# Altium PCB 键盘.PcbDoc (part 7 of 10) (continued)
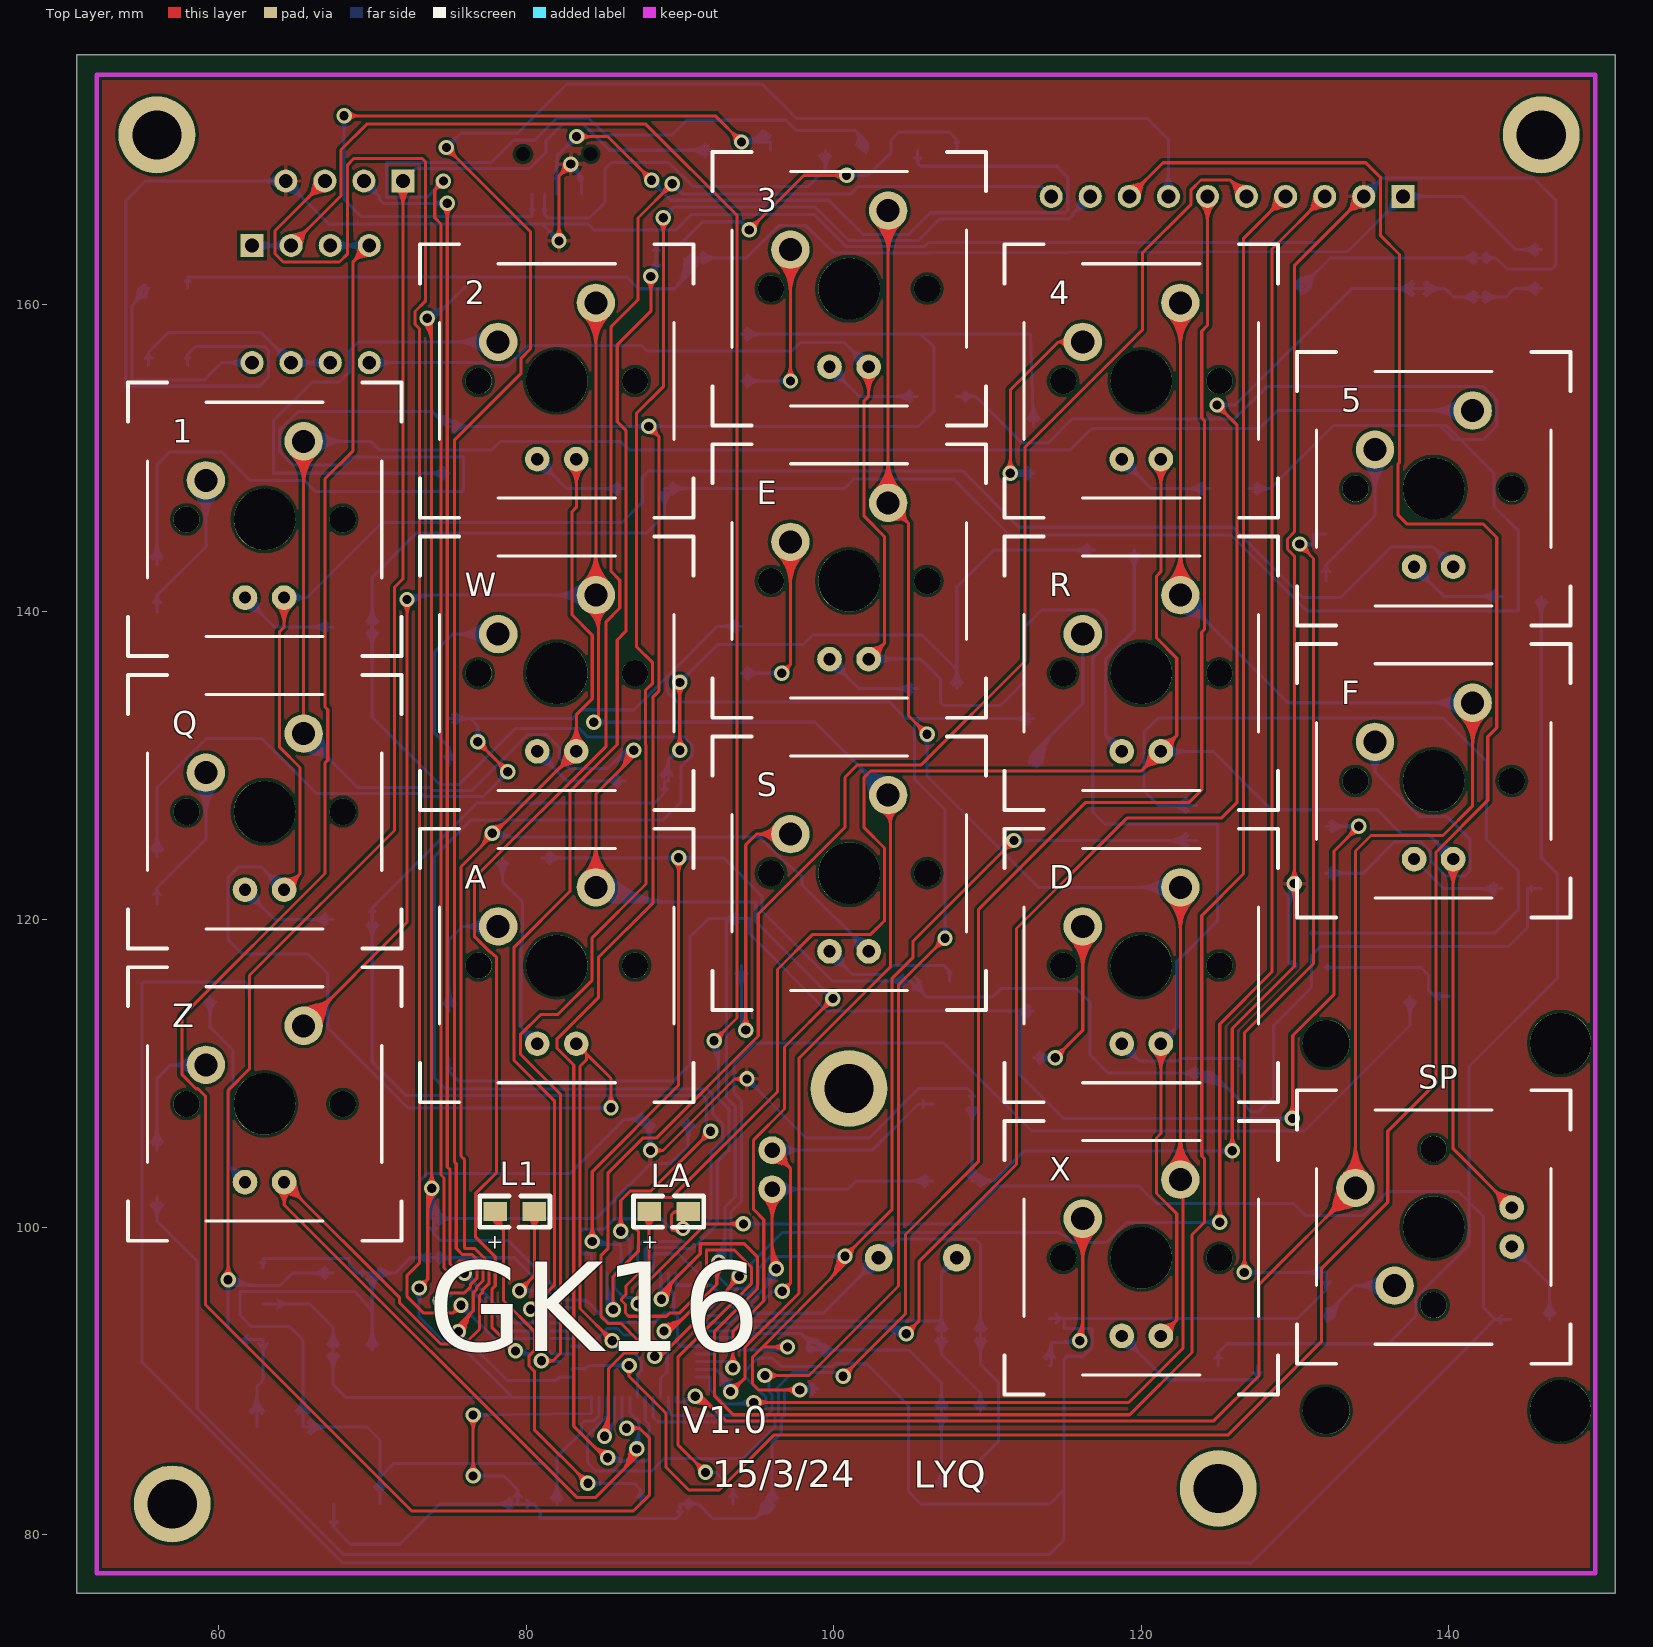
[diagram p0: Top Layer view]
## Nets (pads, with @x,y where several pads share a name; then routed paths per layer and width w, separated by ;. In a path a pad name is that pad's centre, name@x,y a point inside that pad or via, vN(x,y) a via of type N, cw(c..) or ccw(c..) an arc to the next point about the centre after c; other vN are vias at no path point) (continued)
PA7: D1.1 D2.1 D3.1 D4.1 U1.17 | length 287.4
  Top Layer w0.2: v1@85.155,85 83.103,87.052 83.103,110.532 82.001,111.633 82.001,112.207 84.7,114.906 84.7,117.517 88.24,121.056 88.24,134.45 88.63,134.84 88.63,151.4 ; v1(87.982,152.048) 88.63,151.4 ; 84.369,85.786 ccw(c85.3,86.717) v1@85.3,85.4 ; 84.369,85.786 ccw(c85.3,86.717) v1@85.3,85.4 ; 84.369,85.786 ccw(c85.3,86.717) v1@85.3,85.4 ; 84.71,85.444 ccw(c85.3,86.034) v1@85.3,85.2 ; 84.71,85.444 ccw(c85.3,86.034) v1@85.3,85.2 ; 84.71,85.444 ccw(c85.3,86.034) v1@85.3,85.2 ; 84.71,85.558 cw(c84.489,84.733) v1(85.3,85) ; 84.71,85.558 cw(c84.489,84.733) v1(85.3,85) ; 84.71,85.558 cw(c84.489,84.733) v1(85.3,85) ; 84.72,85.435 cw(c84.285,85) v1@84.9,85 ; 84.72,85.435 cw(c84.285,85) v1@84.9,85 ; 84.72,85.435 cw(c84.285,85) v1@84.9,85 ; 84.826,85.327 cw(c84.73,84.969) v1@85.1,84.989 ; 84.826,85.327 cw(c84.73,84.969) v1@85.1,84.989 ; 84.826,85.327 cw(c84.73,84.969) v1@85.1,84.989 ; 84.868,85.316 ccw(c84.947,85.612) v1@85.1,85.346 ; 84.868,85.316 ccw(c84.947,85.612) v1@85.1,85.346 ; 84.868,85.316 ccw(c84.947,85.612) v1@85.1,85.346 ; 85.067,85.462 cw(c84.909,84.871) v1@85.49,85.062 ; 85.067,85.462 cw(c84.909,84.871) v1@85.49,85.062 ; 85.067,85.462 cw(c84.909,84.871) v1@85.49,85.062 ; v1@87.79,151.991 ccw(c88.333,152.153) 88.207,151.6 ; v1@87.79,151.991 ccw(c88.333,152.153) 88.207,151.6 ; v1@87.79,151.991 ccw(c88.333,152.153) 88.207,151.6 ; v1@87.997,151.648 cw(c88.029,150.799) 88.63,151.4 ; v1@87.997,151.648 cw(c88.029,150.799) 88.63,151.4 ; v1@87.997,151.648 cw(c88.029,150.799) 88.63,151.4 ; v1@88.039,152.24 cw(c87.877,151.697) 88.43,151.823 ; v1@88.039,152.24 cw(c87.877,151.697) 88.43,151.823 ; v1@88.039,152.24 cw(c87.877,151.697) 88.43,151.823 ; v1@88.382,152.033 ccw(c89.231,152.001) 88.63,151.4 ; v1@88.382,152.033 ccw(c89.231,152.001) 88.63,151.4 ; v1@88.382,152.033 ccw(c89.231,152.001) 88.63,151.4
  Bottom Layer w0.2: D1.1@56,143.048 56,149.555 56.838,150.393 60.198,150.393 62.052,148.539 65.583,148.539 66.319,147.803 75.946,147.803 75.946,150.063 68.656,150.063 68.123,149.53 64.872,149.53 63.99,150.411 63.99,151.823 65.176,153.01 73.892,153.01 ; v1@85.155,85 85.382,84.773 87.782,84.773 87.998,84.988 87.998,87.192 87.75,87.44 U1.17@87.75,88.95 ; D3.1@94,158.048 105.664,158.048 ; D4.1@113,152.048 112.788,158.048 105.664,158.048 ; D1.1@55.622,143.553 ccw(c54.708,144.467) 56,144.467 ; D1.1@55.622,143.553 ccw(c54.708,144.467) 56,144.467 ; D1.1@55.622,143.553 ccw(c54.708,144.467) 56,144.467 ; D1.1@55.763,143.412 ccw(c55.191,143.984) 56,143.984 ; D1.1@55.763,143.412 ccw(c55.191,143.984) 56,143.984 ; D1.1@55.763,143.412 ccw(c55.191,143.984) 56,143.984 ; 56,143.984 ccw(c56.809,143.984) D1.1@56.237,143.412 ; 56,143.984 ccw(c56.809,143.984) D1.1@56.237,143.412 ; 56,143.984 ccw(c56.809,143.984) D1.1@56.237,143.412 ; 56,144.467 ccw(c57.292,144.467) D1.1@56.378,143.553 ; 56,144.467 ccw(c57.292,144.467) D1.1@56.378,143.553 ; 56,144.467 ccw(c57.292,144.467) D1.1@56.378,143.553 ; 73.892,153.01 ccw(c74.687,153.805) D2.1@74.899,152.7 ; 73.892,153.01 ccw(c74.687,153.805) D2.1@74.899,152.7 ; 73.892,153.01 ccw(c74.687,153.805) D2.1@74.899,152.7 ; 73.892,153.01 74.854,152.048 D2.1@75,152.048 v1(87.982,152.048) 105.515,152.048 106.528,153.06 106.528,157.184 105.664,158.048 ; 74.159,152.743 ccw(c74.773,153.357) D2.1@74.937,152.504 ; 74.159,152.743 ccw(c74.773,153.357) D2.1@74.937,152.504 ; 74.159,152.743 ccw(c74.773,153.357) D2.1@74.937,152.504 ; 74.28,152.622 cw(c73.833,152.175) D2.1@74.465,152.175 ; 74.28,152.622 cw(c73.833,152.175) D2.1@74.465,152.175 ; 74.28,152.622 cw(c73.833,152.175) D2.1@74.465,152.175 ; D2.1@74.426,152.476 ccw(c74.859,152.909) D2.1@74.975,152.308 ; D2.1@74.426,152.476 ccw(c74.859,152.909) D2.1@74.975,152.308 ; D2.1@74.426,152.476 ccw(c74.859,152.909) D2.1@74.975,152.308 ; D2.1@74.431,152.734 cw(c74.35,151.613) D2.1@75.2,152.348 ; D2.1@74.431,152.734 cw(c74.35,151.613) D2.1@75.2,152.348 ; D2.1@74.431,152.734 cw(c74.35,151.613) D2.1@75.2,152.348 ; D2.1@75.237,151.811 cw(c75.809,151.239) 75.809,152.048 ; D2.1@75.237,151.811 cw(c75.809,151.239) 75.809,152.048 ; D2.1@75.237,151.811 cw(c75.809,151.239) 75.809,152.048 ; D2.1@75.237,152.285 ccw(c75.809,152.857) 75.809,152.048 ; D2.1@75.237,152.285 ccw(c75.809,152.857) 75.809,152.048 ; D2.1@75.237,152.285 ccw(c75.809,152.857) 75.809,152.048 ; D2.1@75.378,151.67 cw(c76.292,150.756) 76.292,152.048 ; D2.1@75.378,151.67 cw(c76.292,150.756) 76.292,152.048 ; D2.1@75.378,151.67 cw(c76.292,150.756) 76.292,152.048 ; D2.1@75.378,152.426 ccw(c76.292,153.34) 76.292,152.048 ; D2.1@75.378,152.426 ccw(c76.292,153.34) 76.292,152.048 ; D2.1@75.378,152.426 ccw(c76.292,153.34) 76.292,152.048 ; v1(85.3,85) ccw(c85.849,85.549) 85.849,84.773 ; v1(85.3,85) ccw(c85.849,85.549) 85.849,84.773 ; v1(85.3,85) ccw(c85.849,85.549) 85.849,84.773 ; v1@85.441,85.141 ccw(c86.332,86.032) 86.332,84.773 ; v1@85.441,85.141 ccw(c86.332,86.032) 86.332,84.773 ; v1@85.441,85.141 ccw(c86.332,86.032) 86.332,84.773 ; v1@85.583,85.283 ccw(c86.815,86.515) 86.815,84.773 ; v1@85.583,85.283 ccw(c86.815,86.515) 86.815,84.773 ; v1@85.583,85.283 ccw(c86.815,86.515) 86.815,84.773 ; v1@85.686,85.104 ccw(c85.982,85.183) 85.829,84.918 ; v1@85.686,85.104 ccw(c85.982,85.183) 85.829,84.918 ; v1@85.686,85.104 ccw(c85.982,85.183) 85.829,84.918 ; 87.016,152.048 cw(c87.016,151.082) v1@87.699,151.765 ; 87.016,152.048 ccw(c87.016,153.014) v1@87.699,152.331 ; 87.016,152.048 cw(c87.016,151.082) v1@87.699,151.765 ; 87.016,152.048 ccw(c87.016,153.014) v1@87.699,152.331 ; 87.016,152.048 cw(c87.016,151.082) v1@87.699,151.765 ; 87.016,152.048 ccw(c87.016,153.014) v1@87.699,152.331 ; v1@88.265,151.765 cw(c88.948,151.082) 88.948,152.048 ; v1@88.265,151.765 cw(c88.948,151.082) 88.948,152.048 ; v1@88.265,151.765 cw(c88.948,151.082) 88.948,152.048 ; v1@88.265,152.331 ccw(c88.948,153.014) 88.948,152.048 ; v1@88.265,152.331 ccw(c88.948,153.014) 88.948,152.048 ; v1@88.265,152.331 ccw(c88.948,153.014) 88.948,152.048 ; D3.1@94.237,157.811 cw(c94.809,157.239) 94.809,158.048 ; D3.1@94.237,157.811 cw(c94.809,157.239) 94.809,158.048 ; D3.1@94.237,157.811 cw(c94.809,157.239) 94.809,158.048 ; D3.1@94.237,158.285 ccw(c94.809,158.857) 94.809,158.048 ; D3.1@94.237,158.285 ccw(c94.809,158.857) 94.809,158.048 ; D3.1@94.237,158.285 ccw(c94.809,158.857) 94.809,158.048 ; D3.1@94.378,157.67 cw(c95.292,156.756) 95.292,158.048 ; D3.1@94.378,157.67 cw(c95.292,156.756) 95.292,158.048 ; D3.1@94.378,157.67 cw(c95.292,156.756) 95.292,158.048 ; D3.1@94.378,158.426 ccw(c95.292,159.34) 95.292,158.048 ; D3.1@94.378,158.426 ccw(c95.292,159.34) 95.292,158.048 ; D3.1@94.378,158.426 ccw(c95.292,159.34) 95.292,158.048 ; D4.1@112.609,152.54 ccw(c111.675,153.41) 112.95,153.455 ; D4.1@112.609,152.54 ccw(c111.675,153.41) 112.95,153.455 ; D4.1@112.609,152.54 ccw(c111.675,153.41) 112.95,153.455 ; D4.1@112.755,152.403 ccw(c112.174,152.944) 112.967,152.972 ; D4.1@112.755,152.403 ccw(c112.174,152.944) 112.967,152.972 ; D4.1@112.755,152.403 ccw(c112.174,152.944) 112.967,152.972 ; 112.949,153.476 ccw(c114.256,153.523) D4.1@113.365,152.566 ; 112.949,153.476 ccw(c114.256,153.523) D4.1@113.365,152.566 ; 112.949,153.476 ccw(c114.256,153.523) D4.1@113.365,152.566 ; 112.966,152.994 ccw(c113.79,153.023) D4.1@113.228,152.42 ; 112.966,152.994 ccw(c113.79,153.023) D4.1@113.228,152.42 ; 112.966,152.994 ccw(c113.79,153.023) D4.1@113.228,152.42
PA8: R23.2 U1.29 | length 133.2
  Top Layer w0.2: v1@88.498,91.97 ccw(c88.58,92.207) 88.767,92.04 ccw(c88.954,91.873) v1@88.728,91.765 ; v1@88.188,91.683 cw(c88.866,91.34) 88.669,92.074 ; v1@88.188,91.683 cw(c88.866,91.34) 88.669,92.074 ; v1@88.188,91.683 cw(c88.866,91.34) 88.669,92.074 ; v1(88.367,91.592) ccw(c88.367,92.533) 89.032,91.868 ; v1(88.367,91.592) cw(c89.402,91.069) 89.102,92.189 ; v1(88.367,91.592) cw(c89.402,91.069) 89.102,92.189 ; v1(88.367,91.592) ccw(c88.367,92.533) 89.032,91.868 ; v1(88.367,91.592) cw(c89.402,91.069) 89.102,92.189 ; v1(88.367,91.592) ccw(c88.367,92.533) 89.032,91.868 ; v1(88.367,91.592) 88.756,91.592 93.853,96.689 v1(93.853,96.799) ; v1@88.367,91.792 ccw(c88.367,93.216) 89.373,92.209 ; v1@88.367,91.792 ccw(c88.367,93.216) 89.373,92.209 ; v1@88.367,91.792 ccw(c88.367,93.216) 89.373,92.209 ; v1@88.367,91.992 ccw(c88.367,93.899) 89.714,92.551 ; v1@88.367,91.992 ccw(c88.367,93.899) 89.714,92.551 ; v1@88.367,91.992 ccw(c88.367,93.899) 89.714,92.551 ; v1@88.555,91.526 cw(c89.217,91.294) 89.036,91.972 ; v1@88.555,91.526 cw(c89.217,91.294) 89.036,91.972 ; v1@88.555,91.526 cw(c89.217,91.294) 89.036,91.972 ; v1@88.567,91.939 ccw(c88.72,92.204) 88.799,91.908 ; v1@88.567,91.939 ccw(c88.72,92.204) 88.799,91.908 ; v1@88.567,91.939 ccw(c88.72,92.204) 88.799,91.908 ; 93.092,95.929 ccw(c92.221,96.799) v1@93.453,96.799 ; 93.092,95.929 ccw(c92.221,96.799) v1@93.453,96.799 ; 93.092,95.929 ccw(c92.221,96.799) v1@93.453,96.799 ; 93.3,96.23 cw(c94.087,96.019) v1(93.853,96.799) ; 93.3,96.23 cw(c94.087,96.019) v1(93.853,96.799) ; 93.3,96.23 cw(c94.087,96.019) v1(93.853,96.799) ; 93.358,96.194 cw(c93.853,95.7) v1@93.853,96.399 ; 93.358,96.194 cw(c93.853,95.7) v1@93.853,96.399 ; 93.358,96.194 cw(c93.853,95.7) v1@93.853,96.399 ; 93.393,96.577 cw(c93.966,96.423) v1@93.795,96.991 ; 93.393,96.577 cw(c93.966,96.423) v1@93.795,96.991 ; 93.393,96.577 cw(c93.966,96.423) v1@93.795,96.991 ; 93.414,96.282 ccw(c93.26,96.857) v1(93.853,96.799) ; 93.414,96.282 ccw(c93.26,96.857) v1(93.853,96.799) ; 93.414,96.282 ccw(c93.26,96.857) v1(93.853,96.799) ; 93.434,96.27 ccw(c92.904,96.799) v1@93.653,96.799 ; 93.434,96.27 ccw(c92.904,96.799) v1@93.653,96.799 ; 93.434,96.27 ccw(c92.904,96.799) v1@93.653,96.799
  Bottom Layer w0.2: U1.29@82.95,92.25 84.125,92.25 85.275,93.4 85.938,93.4 86.362,92.976 86.983,92.976 v1(88.367,91.592) ; v1(93.853,96.799) 93.332,97.32 ; R23.2@137.46,115 137.46,113.097 130.611,106.247 112.878,106.247 107.163,111.963 94.869,111.963 93.507,110.601 93.507,108.721 94.002,108.225 94.002,101.673 93.332,101.003 93.332,97.32 ; 87.684,92.275 cw(c87.001,91.592) v1@87.967,91.592 ; 87.684,92.275 ccw(c88.367,92.958) v1@88.367,91.992 ; 87.684,92.275 cw(c87.001,91.592) v1@87.967,91.592 ; 87.684,92.275 ccw(c88.367,92.958) v1@88.367,91.992 ; 87.684,92.275 cw(c87.001,91.592) v1@87.967,91.592 ; 87.684,92.275 ccw(c88.367,92.958) v1@88.367,91.992 ; 87.832,92.096 ccw(c88.507,92.277) v1(88.367,91.592) ; 87.832,92.096 ccw(c88.507,92.277) v1(88.367,91.592) ; 87.832,92.096 ccw(c88.507,92.277) v1(88.367,91.592) ; 87.863,92.127 cw(c87.682,91.452) v1(88.367,91.592) ; 87.863,92.127 cw(c87.682,91.452) v1(88.367,91.592) ; 87.863,92.127 cw(c87.682,91.452) v1(88.367,91.592) ; 93.332,97.32 cw(c92.995,96.982) v1@93.462,96.883 ; 93.332,97.32 ccw(c93.67,97.658) v1@93.77,97.191 ; 93.332,97.32 cw(c92.995,96.982) v1@93.462,96.883 ; 93.332,97.32 ccw(c93.67,97.658) v1@93.77,97.191 ; 93.332,97.32 cw(c92.995,96.982) v1@93.462,96.883 ; 93.332,97.32 ccw(c93.67,97.658) v1@93.77,97.191 ; R23.2@137.089,114.629 cw(c136.193,113.733) 137.46,113.733 ; R23.2@137.089,114.629 cw(c136.193,113.733) 137.46,113.733 ; R23.2@137.089,114.629 cw(c136.193,113.733) 137.46,113.733 ; R23.2@137.23,114.77 cw(c136.675,114.215) 137.46,114.215 ; R23.2@137.23,114.77 cw(c136.675,114.215) 137.46,114.215 ; R23.2@137.23,114.77 cw(c136.675,114.215) 137.46,114.215 ; 137.46,113.733 cw(c138.727,113.733) R23.2@137.831,114.629 ; 137.46,113.733 cw(c138.727,113.733) R23.2@137.831,114.629 ; 137.46,113.733 cw(c138.727,113.733) R23.2@137.831,114.629 ; 137.46,114.215 cw(c138.245,114.215) R23.2@137.69,114.77 ; 137.46,114.215 cw(c138.245,114.215) R23.2@137.69,114.77 ; 137.46,114.215 cw(c138.245,114.215) R23.2@137.69,114.77
PA13: L1.2 U1.34 | length 32.8
  Top Layer w0.2: L1.2@80.54,101 80.54,96.828 v1(79.575,95.863) ; v1(79.575,95.863) cw(c80.26,95.723) 80.079,96.398 ; v1(79.575,95.863) ccw(c79.435,96.548) 80.11,96.367 ; v1(79.575,95.863) cw(c80.26,95.723) 80.079,96.398 ; v1(79.575,95.863) ccw(c79.435,96.548) 80.11,96.367 ; v1(79.575,95.863) cw(c80.26,95.723) 80.079,96.398 ; v1(79.575,95.863) ccw(c79.435,96.548) 80.11,96.367 ; v1@79.575,96.263 ccw(c79.575,97.228) 80.258,96.546 ; v1@79.575,96.263 ccw(c79.575,97.228) 80.258,96.546 ; v1@79.575,96.263 ccw(c79.575,97.228) 80.258,96.546 ; v1@79.975,95.863 cw(c80.94,95.863) 80.258,96.546 ; v1@79.975,95.863 cw(c80.94,95.863) 80.258,96.546 ; v1@79.975,95.863 cw(c80.94,95.863) 80.258,96.546 ; L1.2@80.169,100.629 cw(c79.273,99.733) 80.54,99.733 ; L1.2@80.169,100.629 cw(c79.273,99.733) 80.54,99.733 ; L1.2@80.169,100.629 cw(c79.273,99.733) 80.54,99.733 ; L1.2@80.31,100.77 cw(c79.755,100.215) 80.54,100.215 ; L1.2@80.31,100.77 cw(c79.755,100.215) 80.54,100.215 ; L1.2@80.31,100.77 cw(c79.755,100.215) 80.54,100.215 ; 80.54,99.733 cw(c81.807,99.733) L1.2@80.911,100.629 ; 80.54,99.733 cw(c81.807,99.733) L1.2@80.911,100.629 ; 80.54,99.733 cw(c81.807,99.733) L1.2@80.911,100.629 ; 80.54,100.215 cw(c81.325,100.215) L1.2@80.77,100.77 ; 80.54,100.215 cw(c81.325,100.215) L1.2@80.77,100.77 ; 80.54,100.215 cw(c81.325,100.215) L1.2@80.77,100.77
  Bottom Layer w0.2: v1(79.575,95.863) 80.759,95.863 81.872,94.75 U1.34@82.95,94.75 ; v1@79.858,95.58 cw(c80.54,94.897) 80.54,95.863 ; v1@79.858,95.58 cw(c80.54,94.897) 80.54,95.863 ; v1@79.858,95.58 cw(c80.54,94.897) 80.54,95.863 ; v1@79.858,96.146 ccw(c80.54,96.828) 80.54,95.863 ; v1@79.858,96.146 ccw(c80.54,96.828) 80.54,95.863 ; v1@79.858,96.146 ccw(c80.54,96.828) 80.54,95.863
PA14: LA.2 U1.37 | length 20.4
  Top Layer w0.2: v1(90.2,99.9) 90.1,99.8 89.519,99.8 ; LA.2@90.54,101 89.672,101 ; 89.519,99.8 cw(c89.519,99.278) v1@89.905,99.63 ; 89.519,99.8 ccw(c89.519,100.114) v1@89.818,100.02 ; 89.519,99.8 cw(c89.519,99.278) v1@89.905,99.63 ; 89.519,99.8 ccw(c89.519,100.114) v1@89.818,100.02 ; 89.519,99.8 cw(c89.519,99.278) v1@89.905,99.63 ; 89.519,99.8 ccw(c89.519,100.114) v1@89.818,100.02 ; 89.519,99.8 89.459,99.86 89.459,100.787 89.672,101 ; 89.672,101 cw(c89.672,100.753) LA.2@89.906,100.832 ; 89.672,101 ccw(c89.672,101.247) LA.2@89.906,101.168 ; 89.672,101 cw(c89.672,100.753) LA.2@89.906,100.832 ; 89.672,101 ccw(c89.672,101.247) LA.2@89.906,101.168 ; 89.672,101 cw(c89.672,100.753) LA.2@89.906,100.832 ; 89.672,101 ccw(c89.672,101.247) LA.2@89.906,101.168
  Bottom Layer w0.2: U1.37@84.25,97.05 84.25,98.26 83.718,98.26 83.503,98.476 83.503,99.644 83.718,99.86 85.073,99.86 85.75,100.537 88.782,100.537 89.519,99.8 ; v1(90.2,99.9) 90.1,99.8 89.519,99.8 ; 89.519,99.8 cw(c89.519,99.278) v1@89.905,99.63 ; 89.519,99.8 ccw(c89.519,100.114) v1@89.818,100.02 ; 89.519,99.8 cw(c89.519,99.278) v1@89.905,99.63 ; 89.519,99.8 ccw(c89.519,100.114) v1@89.818,100.02 ; 89.519,99.8 cw(c89.519,99.278) v1@89.905,99.63 ; 89.519,99.8 ccw(c89.519,100.114) v1@89.818,100.02
PB0: 1.K 5.K A.K Q.K U1.18 | length 303.2
  Top Layer w0.2: Q.K@64.27,121.92 65.303,122.953 ; 1.K@64.27,140.92 64.27,138.997 63.983,138.709 63.983,131.191 65.303,129.87 65.303,122.953 ; A.K@83.27,111.92 83.922,111.268 ; v1(85.522,107.747) 85.522,109.668 83.922,111.268 ; 1.K@63.775,140.425 cw(c62.58,139.23) 64.27,139.23 ; 1.K@63.775,140.425 cw(c62.58,139.23) 64.27,139.23 ; 1.K@63.775,140.425 cw(c62.58,139.23) 64.27,139.23 ; 1.K@63.916,140.566 cw(c63.063,139.713) 64.27,139.713 ; 1.K@63.916,140.566 cw(c63.063,139.713) 64.27,139.713 ; 1.K@63.916,140.566 cw(c63.063,139.713) 64.27,139.713 ; Q.K@64.012,122.073 cw(c65.159,121.392) 64.955,122.71 ; Q.K@64.012,122.073 cw(c65.159,121.392) 64.955,122.71 ; Q.K@64.012,122.073 cw(c65.159,121.392) 64.955,122.71 ; 64.27,139.23 cw(c65.96,139.23) 1.K@64.765,140.425 ; 64.27,139.23 cw(c65.96,139.23) 1.K@64.765,140.425 ; 64.27,139.23 cw(c65.96,139.23) 1.K@64.765,140.425 ; 64.27,139.713 cw(c65.477,139.713) 1.K@64.624,140.566 ; 64.27,139.713 cw(c65.477,139.713) 1.K@64.624,140.566 ; 64.27,139.713 cw(c65.477,139.713) 1.K@64.624,140.566 ; Q.K@64.324,122.417 ccw(c64.414,123.252) 65.008,122.658 ; Q.K@64.324,122.417 ccw(c64.414,123.252) 65.008,122.658 ; Q.K@64.324,122.417 ccw(c64.414,123.252) 65.008,122.658 ; Q.K@64.346,122.616 ccw(c64.472,123.784) 65.303,122.953 ; Q.K@64.346,122.616 ccw(c64.472,123.784) 65.303,122.953 ; Q.K@64.346,122.616 ccw(c64.472,123.784) 65.303,122.953 ; Q.K@64.423,121.662 ccw(c63.742,122.809) 65.06,122.605 ; Q.K@64.423,121.662 ccw(c63.742,122.809) 65.06,122.605 ; Q.K@64.423,121.662 ccw(c63.742,122.809) 65.06,122.605 ; Q.K@64.767,121.974 cw(c65.602,122.064) 65.008,122.658 ; Q.K@64.767,121.974 cw(c65.602,122.064) 65.008,122.658 ; Q.K@64.767,121.974 cw(c65.602,122.064) 65.008,122.658 ; Q.K@64.966,121.995 cw(c66.134,122.122) 65.303,122.953 ; Q.K@64.966,121.995 cw(c66.134,122.122) 65.303,122.953 ; Q.K@64.966,121.995 cw(c66.134,122.122) 65.303,122.953 ; A.K@83.614,111.31 cw(c83.74,111.087) 83.922,111.268 ; A.K@83.614,111.31 cw(c83.74,111.087) 83.922,111.268 ; A.K@83.614,111.31 cw(c83.74,111.087) 83.922,111.268 ; A.K@83.88,111.576 ccw(c84.103,111.45) 83.922,111.268 ; A.K@83.88,111.576 ccw(c84.103,111.45) 83.922,111.268 ; A.K@83.88,111.576 ccw(c84.103,111.45) 83.922,111.268 ; 83.922,111.268 83.922,110.862 83.503,110.443 83.503,94.704 v1(85.606,92.6) ; 84.924,93.283 cw(c84.241,92.6) v1@85.206,92.6 ; 84.924,93.283 ccw(c85.606,93.966) v1@85.606,93 ; 84.924,93.283 cw(c84.241,92.6) v1@85.206,92.6 ; 84.924,93.283 ccw(c85.606,93.966) v1@85.606,93 ; 84.924,93.283 cw(c84.241,92.6) v1@85.206,92.6 ; 84.924,93.283 ccw(c85.606,93.966) v1@85.606,93 ; 85.071,93.104 ccw(c85.747,93.285) v1(85.606,92.6) ; 85.071,93.104 ccw(c85.747,93.285) v1(85.606,92.6) ; 85.071,93.104 ccw(c85.747,93.285) v1(85.606,92.6) ; 85.102,93.135 cw(c84.922,92.46) v1(85.606,92.6) ; 85.102,93.135 cw(c84.922,92.46) v1(85.606,92.6) ; 85.102,93.135 cw(c84.922,92.46) v1(85.606,92.6) ; v1@85.239,108.03 ccw(c84.556,108.712) 85.522,108.712 ; v1@85.239,108.03 ccw(c84.556,108.712) 85.522,108.712 ; v1@85.239,108.03 ccw(c84.556,108.712) 85.522,108.712 ; 85.522,108.712 ccw(c86.487,108.712) v1@85.805,108.03 ; 85.522,108.712 ccw(c86.487,108.712) v1@85.805,108.03 ; 85.522,108.712 ccw(c86.487,108.712) v1@85.805,108.03
  Bottom Layer w0.2: Q.K@64.27,121.92 62.797,123.393 61.29,123.393 60.63,122.733 60.63,118.669 61.544,117.754 65.837,117.754 67.107,116.484 67.107,112.954 72.314,107.747 v1(85.522,107.747) ; 1.K@64.27,140.92 65.761,140.92 ; U1.18@87.25,88.95 87.25,90.419 87.5,90.669 87.5,91.331 87.031,91.8 86.406,91.8 v1(85.606,92.6) ; 5.K@140.27,142.92 138.994,144.196 136.22,144.196 132.944,140.919 130.505,140.919 125.933,145.491 112.039,145.491 108.382,149.149 87.96,149.149 87.554,148.742 87.554,147.117 86.233,145.796 70.637,145.796 65.761,140.92 ; 63.075,123.115 cw(c61.88,121.92) Q.K@63.57,121.92 ; 63.075,123.115 ccw(c64.27,124.31) Q.K@64.27,122.62 ; 63.075,123.115 cw(c61.88,121.92) Q.K@63.57,121.92 ; 63.075,123.115 ccw(c64.27,124.31) Q.K@64.27,122.62 ; 63.075,123.115 cw(c61.88,121.92) Q.K@63.57,121.92 ; 63.075,123.115 ccw(c64.27,124.31) Q.K@64.27,122.62 ; 63.376,122.646 ccw(c64.479,122.941) Q.K@64.25,121.822 ; 63.376,122.646 ccw(c64.479,122.941) Q.K@64.25,121.822 ; 63.376,122.646 ccw(c64.479,122.941) Q.K@64.25,121.822 ; 63.416,122.774 cw(c62.563,121.92) Q.K@63.77,121.92 ; 63.416,122.774 ccw(c64.27,123.627) Q.K@64.27,122.42 ; 63.416,122.774 cw(c62.563,121.92) Q.K@63.77,121.92 ; 63.416,122.774 ccw(c64.27,123.627) Q.K@64.27,122.42 ; 63.416,122.774 cw(c62.563,121.92) Q.K@63.77,121.92 ; 63.416,122.774 ccw(c64.27,123.627) Q.K@64.27,122.42 ; 63.459,122.333 ccw(c64.407,122.587) Q.K@64.21,121.626 ; 63.459,122.333 ccw(c64.407,122.587) Q.K@64.21,121.626 ; 63.459,122.333 ccw(c64.407,122.587) Q.K@64.21,121.626 ; 63.544,122.814 cw(c63.249,121.711) Q.K@64.368,121.94 ; 63.544,122.814 cw(c63.249,121.711) Q.K@64.368,121.94 ; 63.544,122.814 cw(c63.249,121.711) Q.K@64.368,121.94 ; 63.857,122.731 cw(c63.603,121.783) Q.K@64.564,121.98 ; 63.857,122.731 cw(c63.603,121.783) Q.K@64.564,121.98 ; 63.857,122.731 cw(c63.603,121.783) Q.K@64.564,121.98 ; 1.K@64.655,140.601 cw(c65.335,140.035) 65.335,140.92 ; 1.K@64.655,140.601 cw(c65.335,140.035) 65.335,140.92 ; 1.K@64.655,140.601 cw(c65.335,140.035) 65.335,140.92 ; 1.K@64.655,141.239 ccw(c65.335,141.805) 65.335,140.92 ; 1.K@64.655,141.239 ccw(c65.335,141.805) 65.335,140.92 ; 1.K@64.655,141.239 ccw(c65.335,141.805) 65.335,140.92 ; 1.K@64.809,140.473 cw(c65.761,139.681) 65.761,140.92 ; 1.K@64.809,140.473 cw(c65.761,139.681) 65.761,140.92 ; 1.K@64.809,140.473 cw(c65.761,139.681) 65.761,140.92 ; 1.K@64.809,141.367 ccw(c65.761,142.159) 65.761,140.92 ; 1.K@64.809,141.367 ccw(c65.761,142.159) 65.761,140.92 ; 1.K@64.809,141.367 ccw(c65.761,142.159) 65.761,140.92 ; 84.556,107.747 cw(c84.556,106.781) v1@85.239,107.464 ; 84.556,107.747 ccw(c84.556,108.712) v1@85.239,108.03 ; 84.556,107.747 cw(c84.556,106.781) v1@85.239,107.464 ; 84.556,107.747 ccw(c84.556,108.712) v1@85.239,108.03 ; 84.556,107.747 cw(c84.556,106.781) v1@85.239,107.464 ; 84.556,107.747 ccw(c84.556,108.712) v1@85.239,108.03 ; v1@85.606,92.2 cw(c85.606,91.234) 86.289,91.917 ; v1@85.606,92.2 cw(c85.606,91.234) 86.289,91.917 ; v1@85.606,92.2 cw(c85.606,91.234) 86.289,91.917 ; v1(85.606,92.6) cw(c85.466,91.915) 86.141,92.096 ; v1(85.606,92.6) ccw(c86.291,92.74) 86.11,92.065 ; v1(85.606,92.6) cw(c85.466,91.915) 86.141,92.096 ; v1(85.606,92.6) ccw(c86.291,92.74) 86.11,92.065 ; v1(85.606,92.6) cw(c85.466,91.915) 86.141,92.096 ; v1(85.606,92.6) ccw(c86.291,92.74) 86.11,92.065 ; v1@86.006,92.6 ccw(c86.972,92.6) 86.289,91.917 ; v1@86.006,92.6 ccw(c86.972,92.6) 86.289,91.917 ; v1@86.006,92.6 ccw(c86.972,92.6) 86.289,91.917 ; 139.075,144.115 cw(c137.88,142.92) 5.K@139.57,142.92 ; 139.075,144.115 ccw(c140.27,145.31) 5.K@140.27,143.62 ; 139.075,144.115 cw(c137.88,142.92) 5.K@139.57,142.92 ; 139.075,144.115 ccw(c140.27,145.31) 5.K@140.27,143.62 ; 139.075,144.115 cw(c137.88,142.92) 5.K@139.57,142.92 ; 139.075,144.115 ccw(c140.27,145.31) 5.K@140.27,143.62 ; 139.376,143.646 ccw(c140.479,143.941) 5.K@140.25,142.822 ; 139.376,143.646 ccw(c140.479,143.941) 5.K@140.25,142.822 ; 139.376,143.646 ccw(c140.479,143.941) 5.K@140.25,142.822 ; 139.416,143.774 cw(c138.563,142.92) 5.K@139.77,142.92 ; 139.416,143.774 ccw(c140.27,144.627) 5.K@140.27,143.42 ; 139.416,143.774 cw(c138.563,142.92) 5.K@139.77,142.92 ; 139.416,143.774 ccw(c140.27,144.627) 5.K@140.27,143.42 ; 139.416,143.774 cw(c138.563,142.92) 5.K@139.77,142.92 ; 139.416,143.774 ccw(c140.27,144.627) 5.K@140.27,143.42 ; 139.459,143.333 ccw(c140.407,143.587) 5.K@140.21,142.626 ; 139.459,143.333 ccw(c140.407,143.587) 5.K@140.21,142.626 ; 139.459,143.333 ccw(c140.407,143.587) 5.K@140.21,142.626 ; 139.544,143.814 cw(c139.249,142.711) 5.K@140.368,142.94 ; 139.544,143.814 cw(c139.249,142.711) 5.K@140.368,142.94 ; 139.544,143.814 cw(c139.249,142.711) 5.K@140.368,142.94 ; 139.857,143.731 cw(c139.603,142.783) 5.K@140.564,142.98 ; 139.857,143.731 cw(c139.603,142.783) 5.K@140.564,142.98 ; 139.857,143.731 cw(c139.603,142.783) 5.K@140.564,142.98